# Altium PCB PCB.PcbDoc (part 1 of 3)
Units mm, origin at the board's own origin, x right, y up, seen from the top; angles counter-clockwise.
Board outline 140.5 x 50 mm, 4 copper layers (Top Layer, Layer 1, Layer 2, Bottom Layer), stack 1.902 mm thick; 209 components, 153 nets, 1152 pads, 589 vias.
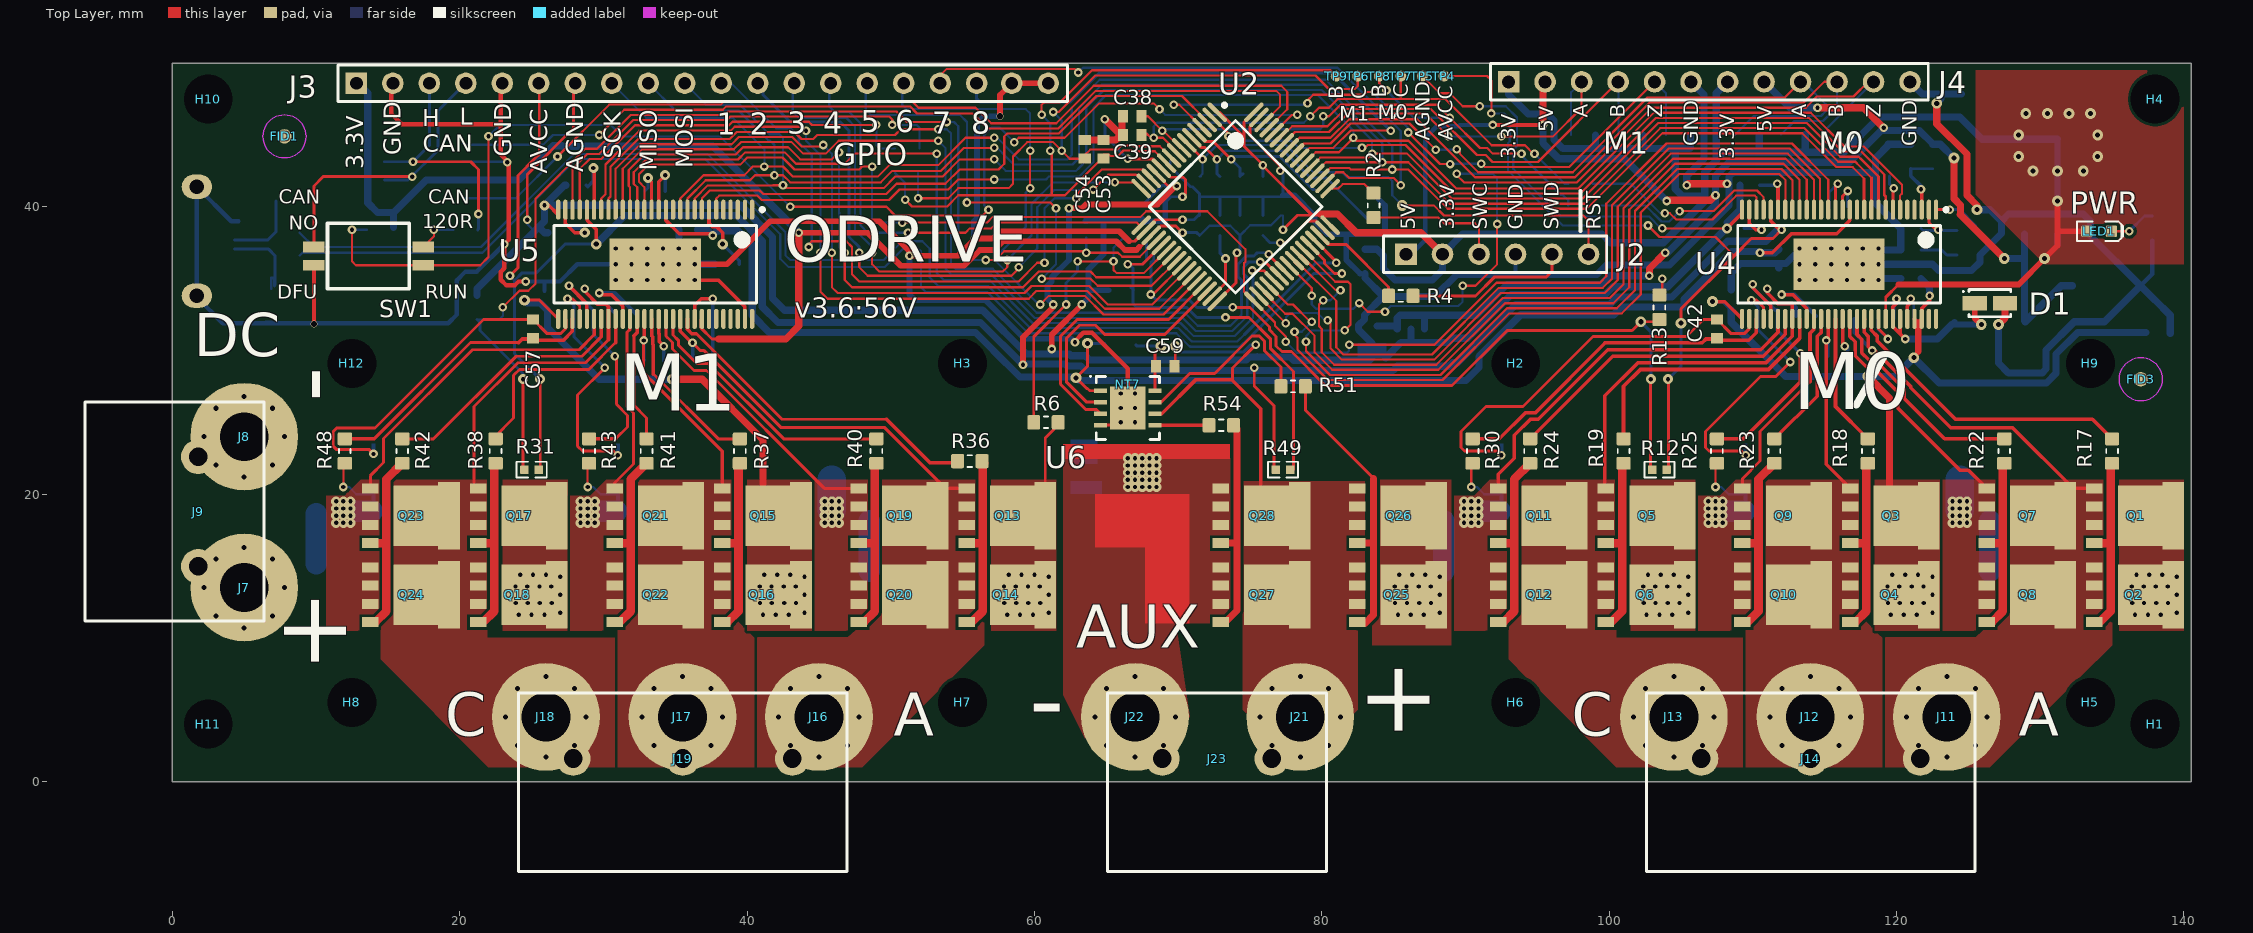
[diagram p0: Top Layer view]
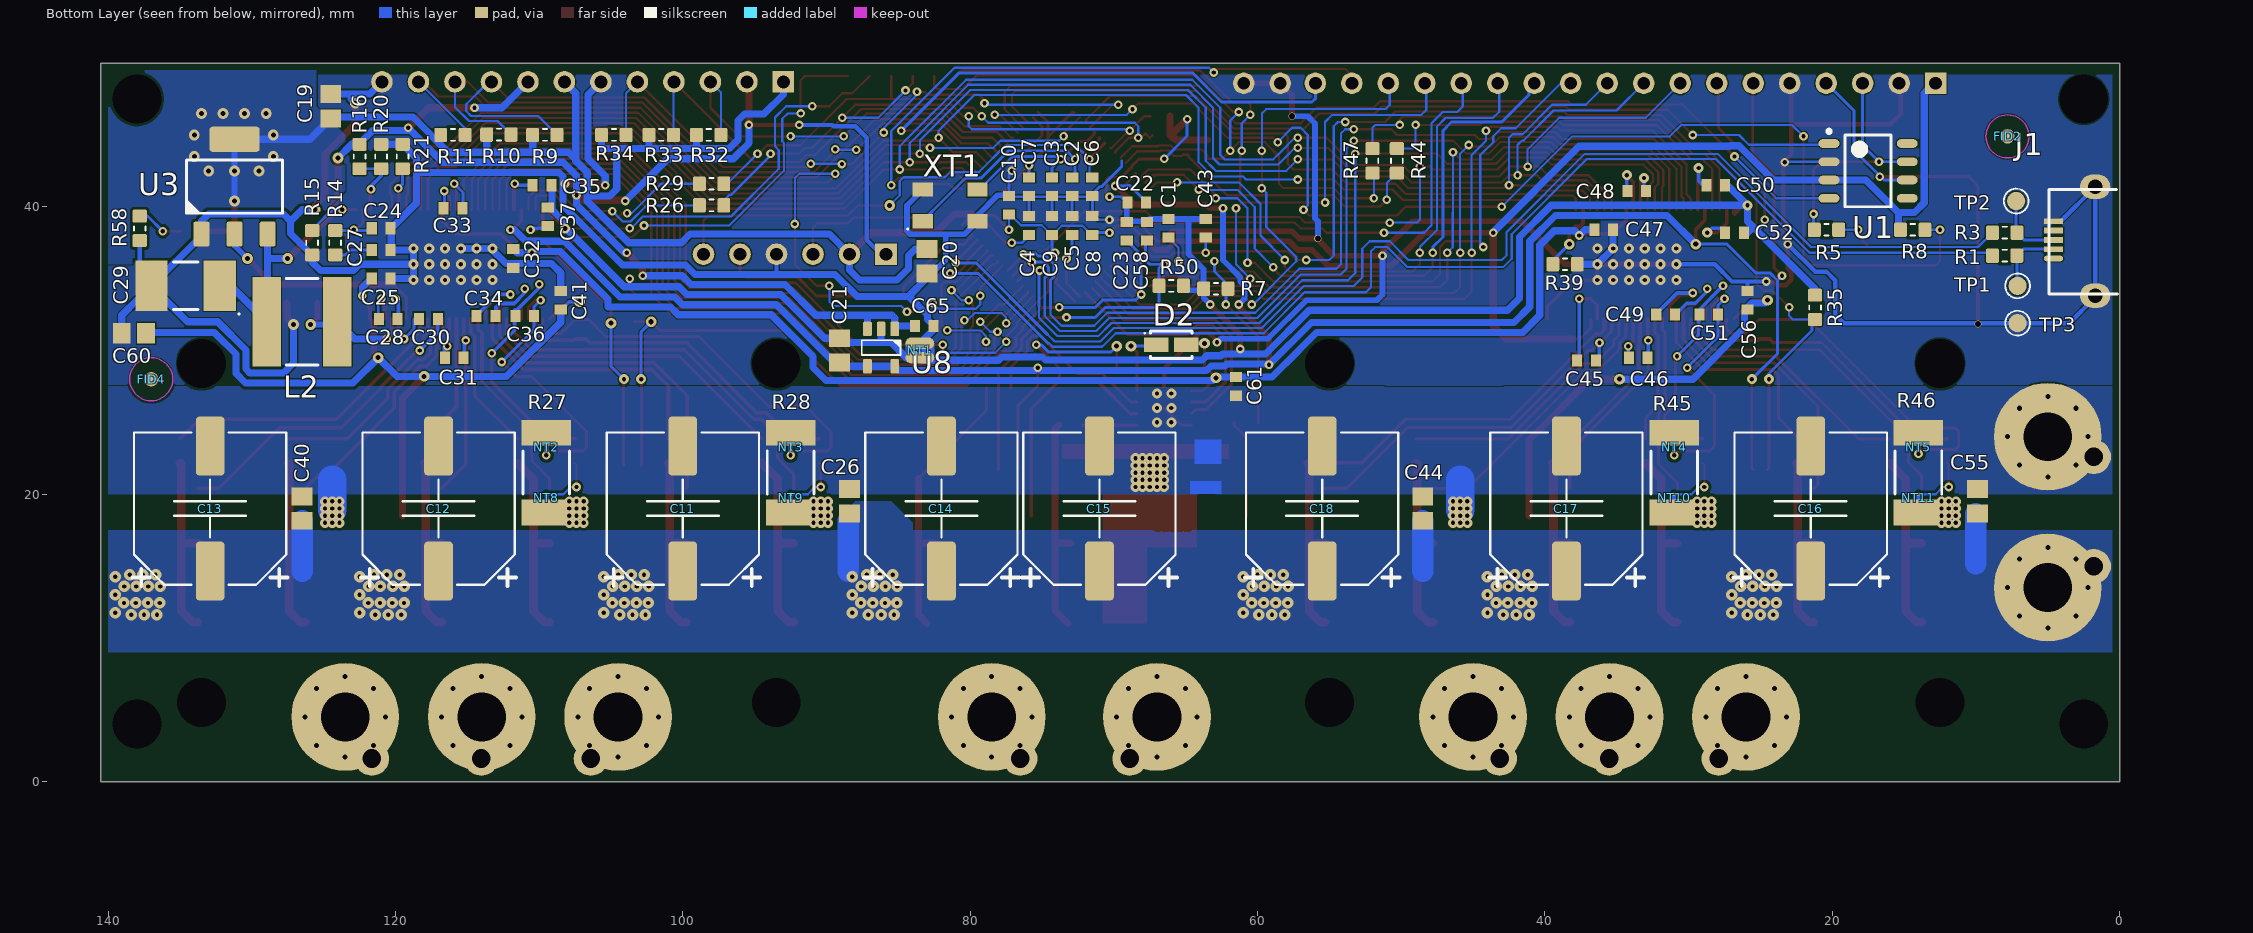
[diagram p1: Bottom Layer view, seen from below]
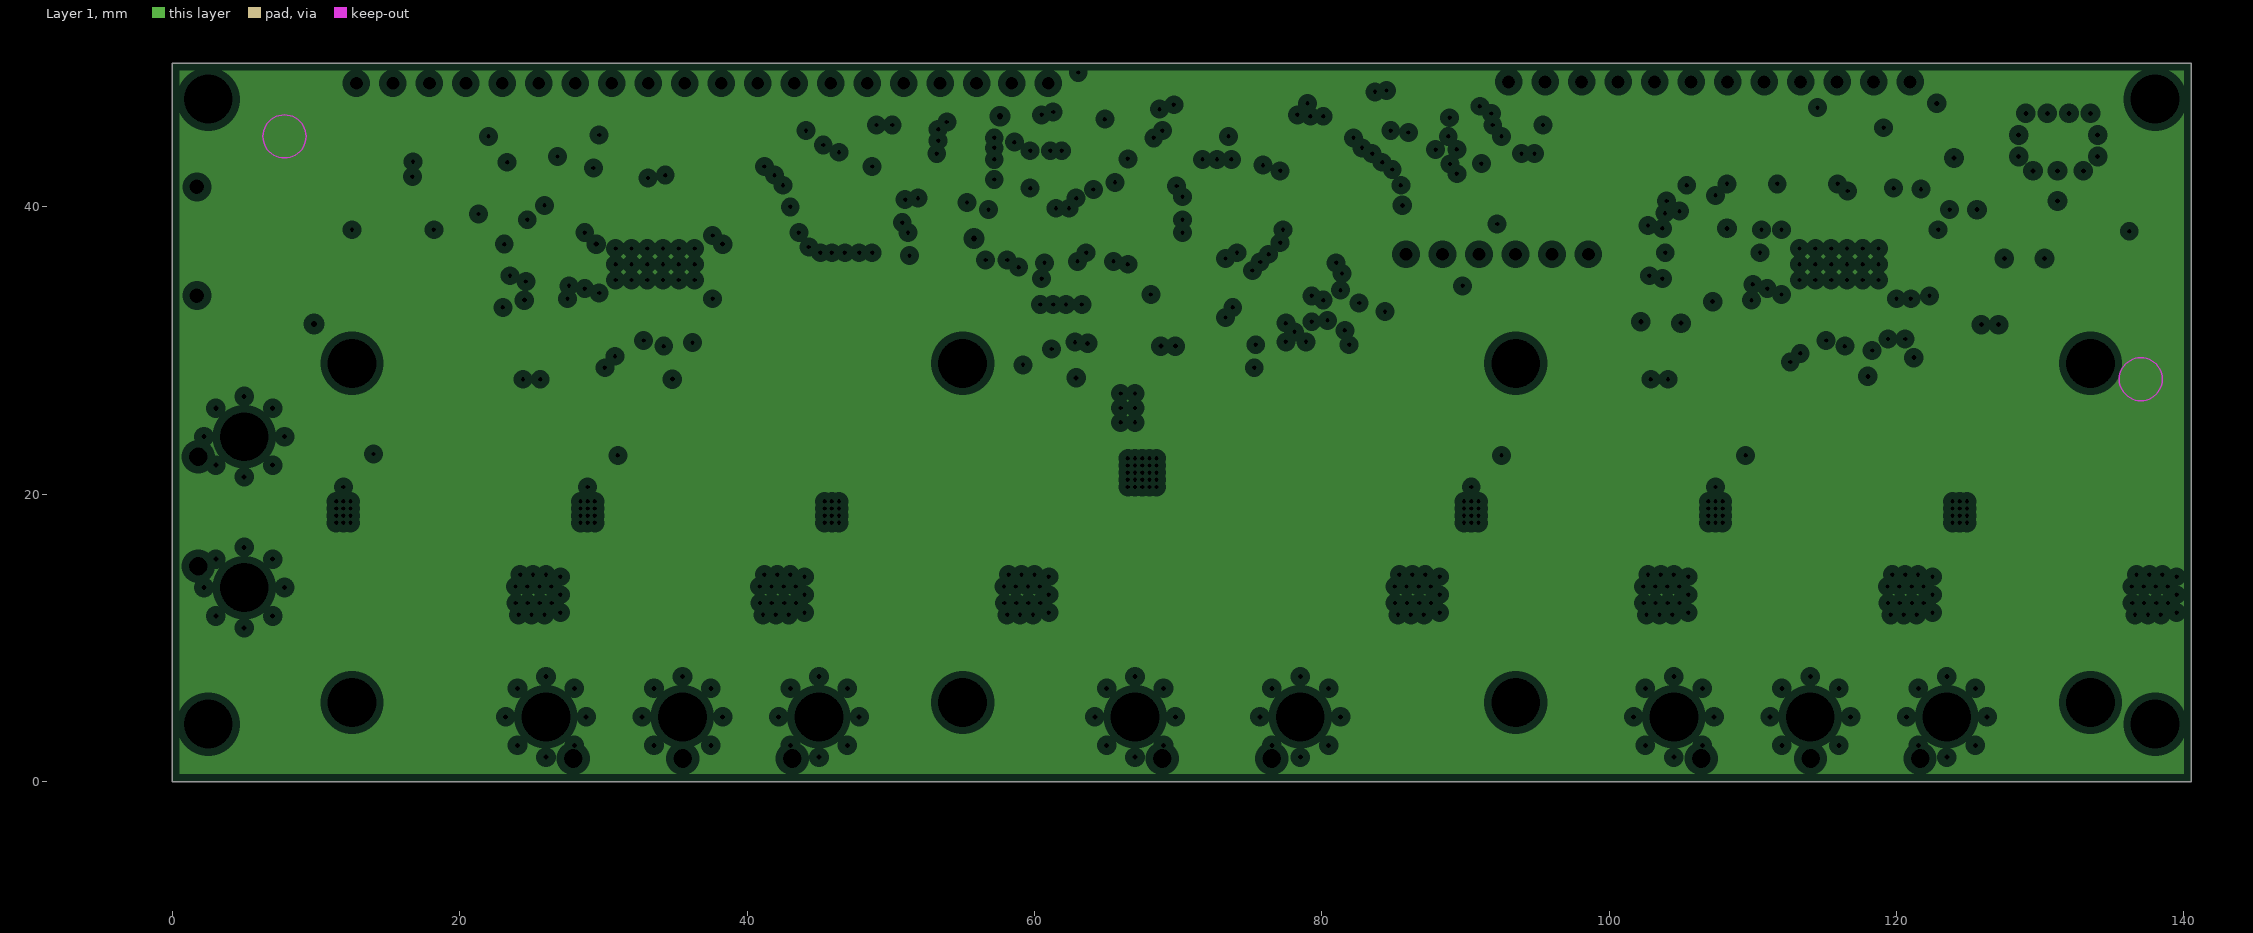
[diagram p2: Layer 1, clearances drawn from the general rule]
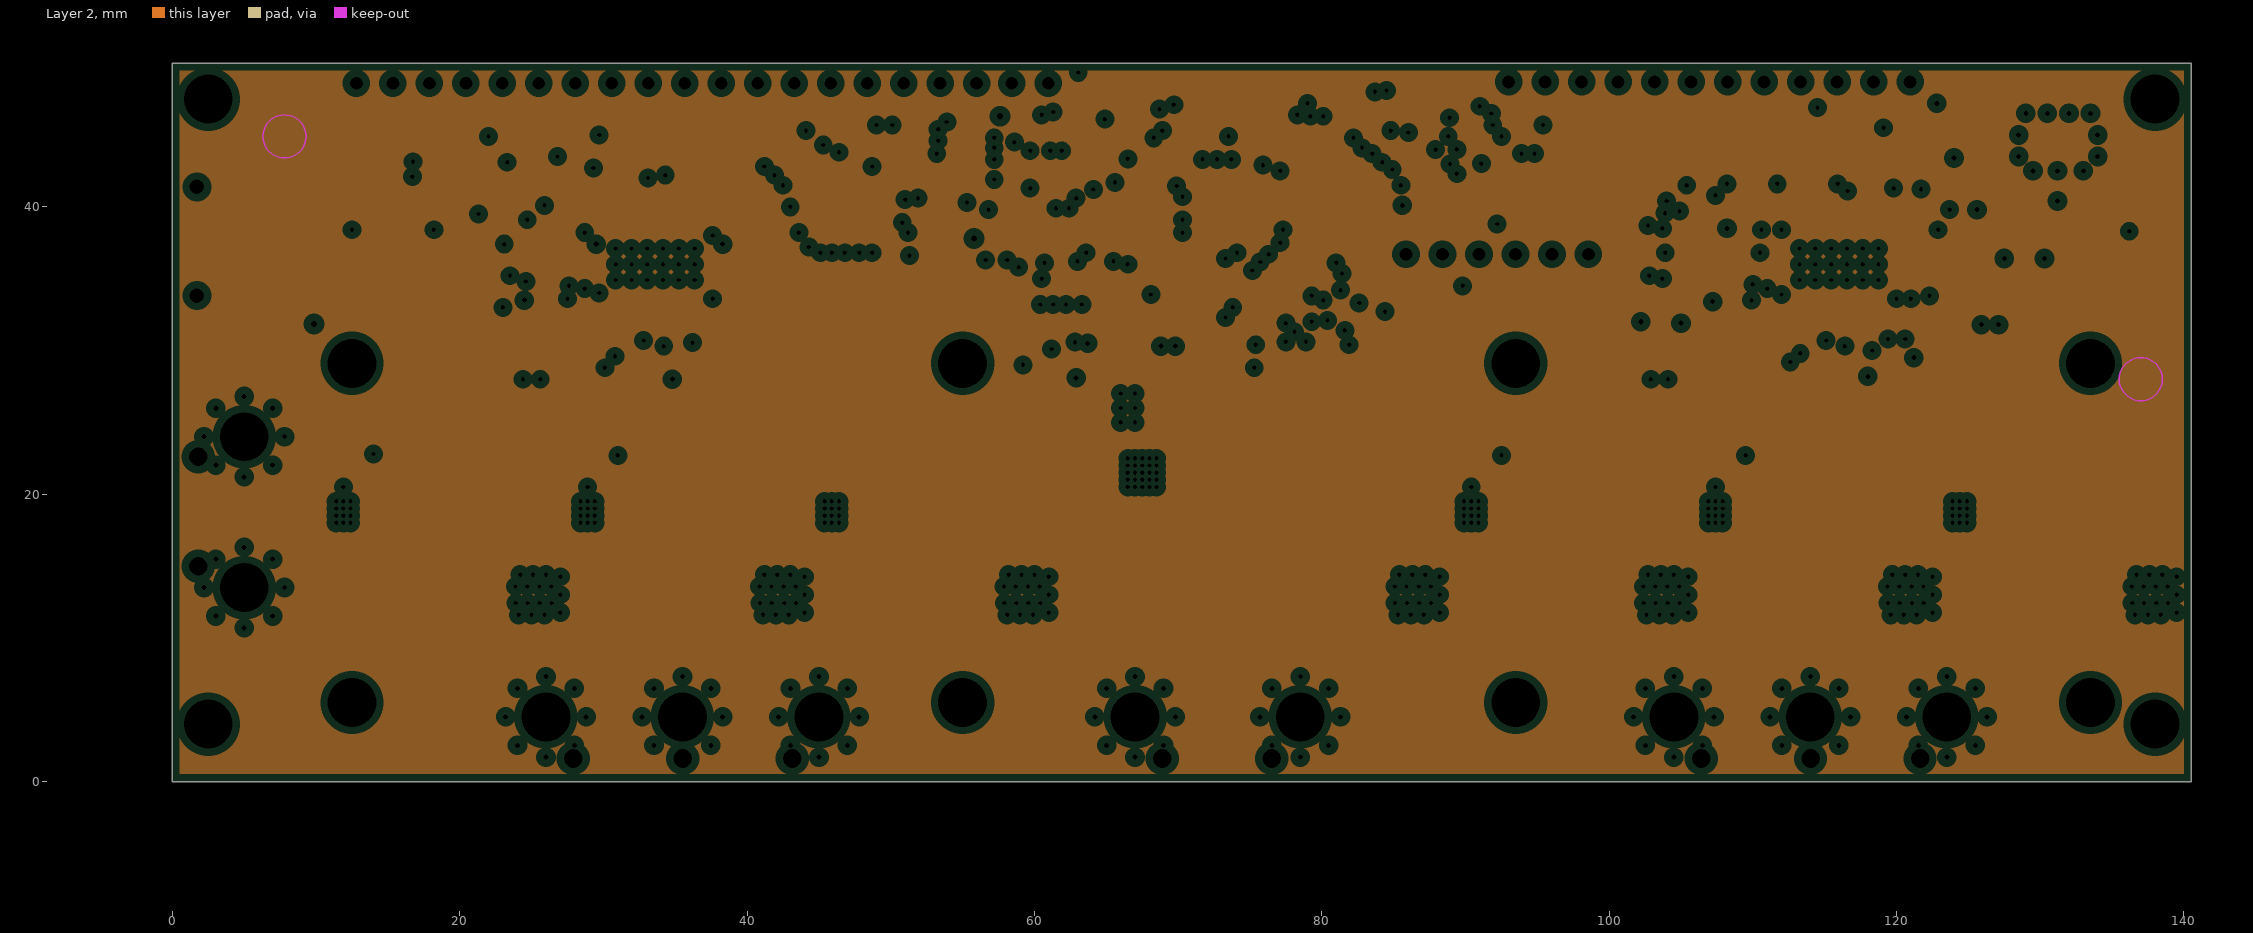
[diagram p3: Layer 2, clearances drawn from the general rule]
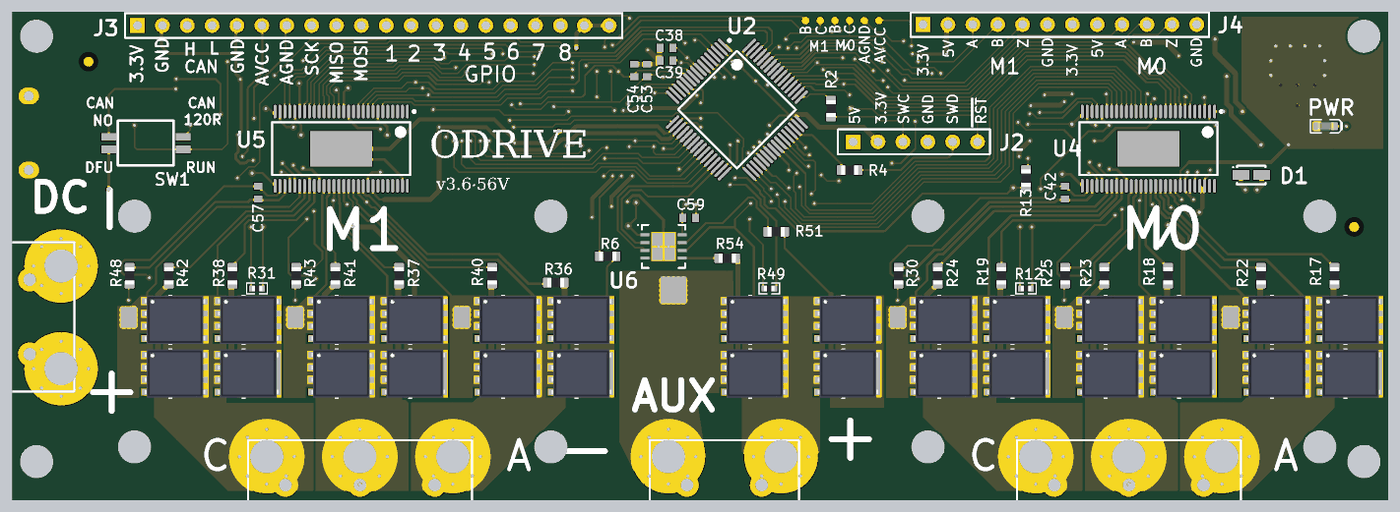
[diagram p6: 3D render of the assembled board from above, using the file's embedded part models]

## Layer stack, top to bottom
Top Solder: solder mask 0.0102, Solder Resist, Dk 3.5
Top Layer: signal copper 0.07
Dielectric 1: prepreg 0.0711, PP-006, Dk 4.1
Layer 1: plane copper 0.035
Dielectric1: core 1.55, FR-4, Dk 4.8
Layer 2: plane copper 0.035
Dielectric 2: prepreg 0.0711, PP-006, Dk 4.1
Bottom Layer: signal copper 0.07
Bottom Solder: solder mask 0.0102, Solder Resist, Dk 3.5

## Board outline
0,0 0,50 140.5,50 140.5,0

## Design rules (kind name [scope] priority, off if disabled: settings)
Clearance [All] p1: gap=0.1 ignorepadtopadclearanceinfootprint=FALSE except(0: Arc-Hole Track-Hole SMDPad-Hole THPad-Hole Via-Hole Fill-Hole Poly-Hole Region-Hole Text-Hole)
ComponentClearance [HasFootprint('NetTie_0.25mm')] p1: gap=-100 collisioncheckmode=3 verticalgap=2540 showdistances=FALSE
ComponentClearance ComponentClearance_1 [HasFootprint('1704936') or HasFootprint('1868076')] p2: gap=-100 collisioncheckmode=3 verticalgap=0.254 showdistances=FALSE
ComponentClearance ComponentClearance_2 [All] p3: gap=0.254 collisioncheckmode=3 verticalgap=0.254 showdistances=FALSE
FanoutControl Fanout_LCC [IsLCC] p1: bgadir=Out bgaviamode=Centered fanoutstyle=Auto fanoutdirection=Alternating viagrid=0.025 // Fanout_LCC (Default Rule)
FanoutControl Fanout_SOIC [IsSOIC] p2: bgadir=Out bgaviamode=Centered fanoutstyle=Auto fanoutdirection=Alternating viagrid=0.025 // Fanout_SOIC (Default Rule)
FanoutControl Fanout_Small [(CompPinCount < 5)] p3: bgadir=Out bgaviamode=Centered fanoutstyle=Auto fanoutdirection=OutThenIn viagrid=0.025 // Fanout_Small (Default Rule)
FanoutControl Fanout_Default [All] p4: bgadir=Out bgaviamode=Centered fanoutstyle=Auto fanoutdirection=Alternating viagrid=0.025 // Fanout_Default (Default Rule)
HoleSize [All] p1: absolutevalues=TRUE maxlimit=6.35 minlimit=0.3 maxpercent=80.000 minpercent=20.000
HoleToHoleClearance [All] p1: gap=0.45 allowstackedmicrovias=TRUE
MinimumAnnularRing [All] p1: minimumring=0.15
MinimumSolderMaskSliver [InPadClass('All Pads') And Not InComponent('J1')] p1: minsoldermaskwidth=0.18
PlaneClearance [All] p1: clearance=0.508
PlaneConnect [All] p1: planeconnectstyle=Relief reliefexpansion=0.508 reliefentries=4 reliefconductorwidth=0.254 reliefairgap=0.254
PolygonConnect [All] p1: connectstyle=Direct reliefconductorwidth=0.254 reliefentries=4 polygonreliefangle="90 Angle" airgapwidth=0.254
RoutingVias [All] p1: holewidth=0.35 width=0.75 viastyle="Through Hole" minholewidth=0.3 minwidth=0.6 maxholewidth=1 maxwidth=1.7
SilkToSolderMaskClearance [IsPad] p1: minsilkscreentomaskgap=0.2 clearancetoexposedcopper=TRUE
SolderMaskExpansion [All] p1: expansion=0.102 istentingtop=FALSE
Width [All] p1: maxlimit=5 minlimit=0.152 preferedwidth=0.203 toplayer_minwidth=0.152 bottomlayer_prefwidth=0.203 minimp=50.000000 maximp=50.000000 favimp=50.000000 checkconnectedcopper=TRUE
18 further rules are at their usual default settings.

## Classes and differential pairs
component class Top: C1 C2 C3 C4 C5 C6 C7 C8 C9 C10 C11 C12 C13 C14 C15 C16 C17 C18 C19 C20 C21 C22 C65 FID1 FID2 FID3 FID4 H1 H2 H3 H4 H5 H6 H7 H8 H9 H10 H11 H12 J1 J2 J3 J4 J7 J8 J9 LED1 NT1 R1 R2 R3 R4 R5 R6 R7 R8 R9 R10 R11 R32 R33 R34 R58 SW1 TP1 TP2 TP3 TP4 TP5 U1 U2 U3 U8 XT1
component class "Motor 1": C43 C44 C45 C46 C47 C48 C49 C50 C51 C52 C53 C54 C55 C56 C57 J16 J17 J18 J19 NT4 NT5 NT10 NT11 Q13 Q14 Q15 Q16 Q17 Q18 Q19 Q20 Q21 Q22 Q23 Q24 R31 R35 R36 R37 R38 R39 R40 R41 R42 R43 R44 R45 R46 R47 R48 TP8 TP9 U5
component class "Motor 0": C23 C24 C25 C26 C27 C28 C29 C30 C31 C32 C33 C34 C35 C36 C37 C38 C39 C40 C41 C42 C60 D1 J11 J12 J13 J14 L2 NT2 NT3 NT8 NT9 Q1 Q2 Q3 Q4 Q5 Q6 Q7 Q8 Q9 Q10 Q11 Q12 R12 R13 R14 R15 R16 R17 R18 R19 R20 R21 R22 R23 R24 R25 R26 R27 R28 R29 R30 TP6 TP7 U4
component class Aux: C58 C59 C61 D2 J21 J22 J23 NT6 NT7 Q25 Q26 Q27 Q28 R49 R50 R51 R54 U6

## Components (designator, comment, footprint, x,y, rotation, side; value= is the part's Value field where it differs from the comment)
C1 "2.2礔" CAPC1608X09L 66.2,38.5 r270 bottom
C2 "10pF" CAPC1608X09L 72.9,41.4 r270 bottom
C3 "10pF" CAPC1608X09L 74.3,41.4 r270 bottom
C4 "2.2礔" CAPC1608X09L 75.9,38.7 r270 bottom
C5 "2.2礔" CAPC1608X09L 72.9,38.7 r270 bottom
C6 "0.1uF" CAPC1608X09L 71.5,41.4 r90 bottom
C7 "0.1uF" CAPC1608X09L 75.9,41.4 r270 bottom
C8 "0.1uF" CAPC1608X09L 71.5,38.7 r90 bottom
C9 "0.1uF" CAPC1608X09L 74.3,38.7 r90 bottom
C10 "0.1uF" CAPC1608X09L 77.3,40.1 r90 bottom
C11 "470uF" CAP_ELEC_SIZE_G 100,19 r180 bottom
C12 "470uF" CAP_ELEC_SIZE_G 117,19 r180 bottom
C13 "470uF" CAP_ELEC_SIZE_G 132.9,19 r180 bottom
C14 "470uF" CAP_ELEC_SIZE_G 82,19 r180 bottom
C15 "470uF" CAP_ELEC_SIZE_G 71,19 r180 bottom
C16 "470uF" CAP_ELEC_SIZE_G 21.5,19 r180 bottom
C17 "470uF" CAP_ELEC_SIZE_G 38.5,19 r180 bottom
C18 "470uF" CAP_ELEC_SIZE_G 55.5,19 r180 bottom
C19 "4.7uF" CAPC2012X09N 124.5,47 r270 bottom
C20 "4.7uF" CAPC2012X09N 83,36.2 r90 bottom
C21 "4.7uF" CAPC2012X09N 89.1,30 r270 bottom
C22 "0.1uF" CAPC1608X09L 68.4,40.3 r0 bottom
C23 "2.2礔" CAPC1608X09L 69.1,38.3 r270 bottom
C24 "82pF" CAPC1608X09L 121,38.5 r180 bottom
C25 "0.1uF" CAPC1608X09L 121,35 r180 bottom
C26 "4.7uF" CAPC2012X09N 88.4,19.5 r270 bottom
C27 "270pF" CAPC1608X09L 121,37 r180 bottom
C28 "0.1uF" CAPC1608X09L 120.5,32.2 r0 bottom
C29 "68uF" CAPCP6032X28N 134.6,34.5 r0 bottom
C30 "0.1uF" CAPC1608X09L 117.7,32.2 r0 bottom
C31 "0.1uF" CAPC1608X09L 115.9,29.5 r0 bottom
C32 "2.2礔" CAPC1608X09L 111.8,36.4 r90 bottom
C33 "0.022礔" CAPC1608X09L 116,39.9 r180 bottom
C34 "0.1uF" CAPC1608X09L 113.7,32.4 r0 bottom
C35 "2.2礔" CAPC1608X09L 109.8,41.5 r0 bottom
C36 "2200pF" CAPC1608X09L 111,32.4 r180 bottom
C37 "2.2礔" CAPC1608X09L 109.4,39.3 r270 bottom
C38 "2200pF" CAPC1608X09L 66.8,46.3 r180 top
C39 "2200pF" CAPC1608X09L 66.8,45 r180 top
C40 "4.7uF" CAPC2012X09N 126.5,19 r270 bottom
C41 "0.1uF" CAPC1608X09L 108.5,33.5 r90 bottom
C42 "2200pF" CAPC1608X09L 107.5,31.5 r90 top
C43 "2.2礔" CAPC1608X09L 63.6,38.5 r270 bottom
C44 "4.7uF" CAPC2012X09N 48.5,19 r270 bottom
C45 "0.1uF" CAPC1608X09L 37.1,29.3 r0 bottom
C46 "0.1uF" CAPC1608X09L 33.5,29.5 r0 bottom
C47 "2.2礔" CAPC1608X09L 35.9,38.4 r0 bottom
C48 "0.022礔" CAPC1608X09L 33.6,41.1 r180 bottom
C49 "0.1uF" CAPC1608X09L 31.6,32.5 r0 bottom
C50 "2.2礔" CAPC1608X09L 28.1,41.5 r0 bottom
C51 "2200pF" CAPC1608X09L 28.6,32.5 r180 bottom
C52 "2.2礔" CAPC1608X09L 26.8,38.2 r0 bottom
C53 "2200pF" CAPC1608X09L 64.8,44 r90 top
C54 "2200pF" CAPC1608X09L 63.5,44 r90 top
C55 "4.7uF" CAPC2012X09N 9.9,19.5 r270 bottom
C56 "0.1uF" CAPC1608X09L 25.9,33.5 r90 bottom
C57 "2200pF" CAPC1608X09L 25.1,31.5 r90 top
C58 "2.2礔" CAPC1608X09L 67.7,38.3 r270 bottom
C59 "0.1uF" CAPC1608X09L 69.1,28.9 r0 top
C60 "4.7uF" CAPC2012X09N 138.2,31.2 r180 bottom
C61 "2.2礔" CAPC1608X09L 61.5,27.5 r90 bottom
C65 "2.2礔" CAPC1608X09L 83.2,31.7 r0 bottom
D1 "" DIOM2717X10N 126.5,33.3 r0 top
D2 "" DIOM2717X10N 66,30.4 r180 bottom
FID1 "FIDUCIAL" FIDUCIAL 7.8,44.9 r0 top
FID2 "FIDUCIAL" FIDUCIAL 7.8,44.9 r90 bottom
FID3 "FIDUCIAL" FIDUCIAL 137,28 r90 top
FID4 "FIDUCIAL" FIDUCIAL 137,28 r90 bottom
H1 "" "M3 Hole" 138,4 r0 top
H2 "" "M3 Hole" 93.5,29.1 r0 top
H3 "" "M3 Hole" 55,29.1 r0 top
H4 "" "M3 Hole" 138,47.5 r0 top
H5 "" "M3 Hole" 133.5,5.5 r0 top
H6 "" "M3 Hole" 93.5,5.5 r0 top
H7 "" "M3 Hole" 55,5.5 r0 top
H8 "" "M3 Hole" 12.5,5.5 r0 top
H9 "" "M3 Hole" 133.5,29.1 r0 top
H10 "" "M3 Hole" 2.5,47.5 r0 top
H11 "" "M3 Hole" 2.5,4 r0 top
H12 "" "M3 Hole" 12.5,29.1 r0 top
J1 "贴片MicroUSB插座 5P 5针 四脚插板插座 迈克USB母座 插座" Micro_USB 4.6,39 r90 bottom
J2 "" HDR1X5 88.4,36.7 r0 top
J3 "Leftheader" HDR1X18 12.8,48.6 r0 top
J4 "Rightheader" HDR1X12 93,48.7 r0 top
J7 "" "M3 Spade Hole" 5,13.5 r0 top
J8 "" "M3 Spade Hole" 5,24 r0 top
J9 "1868076" 1868076 1.8,22.6 r270 top
J11 "" "M3 Spade Hole" 123.5,4.5 r0 top
J12 "" "M3 Spade Hole" 114,4.5 r0 top
J13 "" "M3 Spade Hole" 104.5,4.5 r0 top
J14 "1704936" 1704936 106.4,1.6 r0 top
J16 "" "M3 Spade Hole" 45,4.5 r0 top
J17 "" "M3 Spade Hole" 35.5,4.5 r0 top
J18 "" "M3 Spade Hole" 26,4.5 r0 top